# KiCad board hvd-68-hd-panel.kicad_pcb (continued)
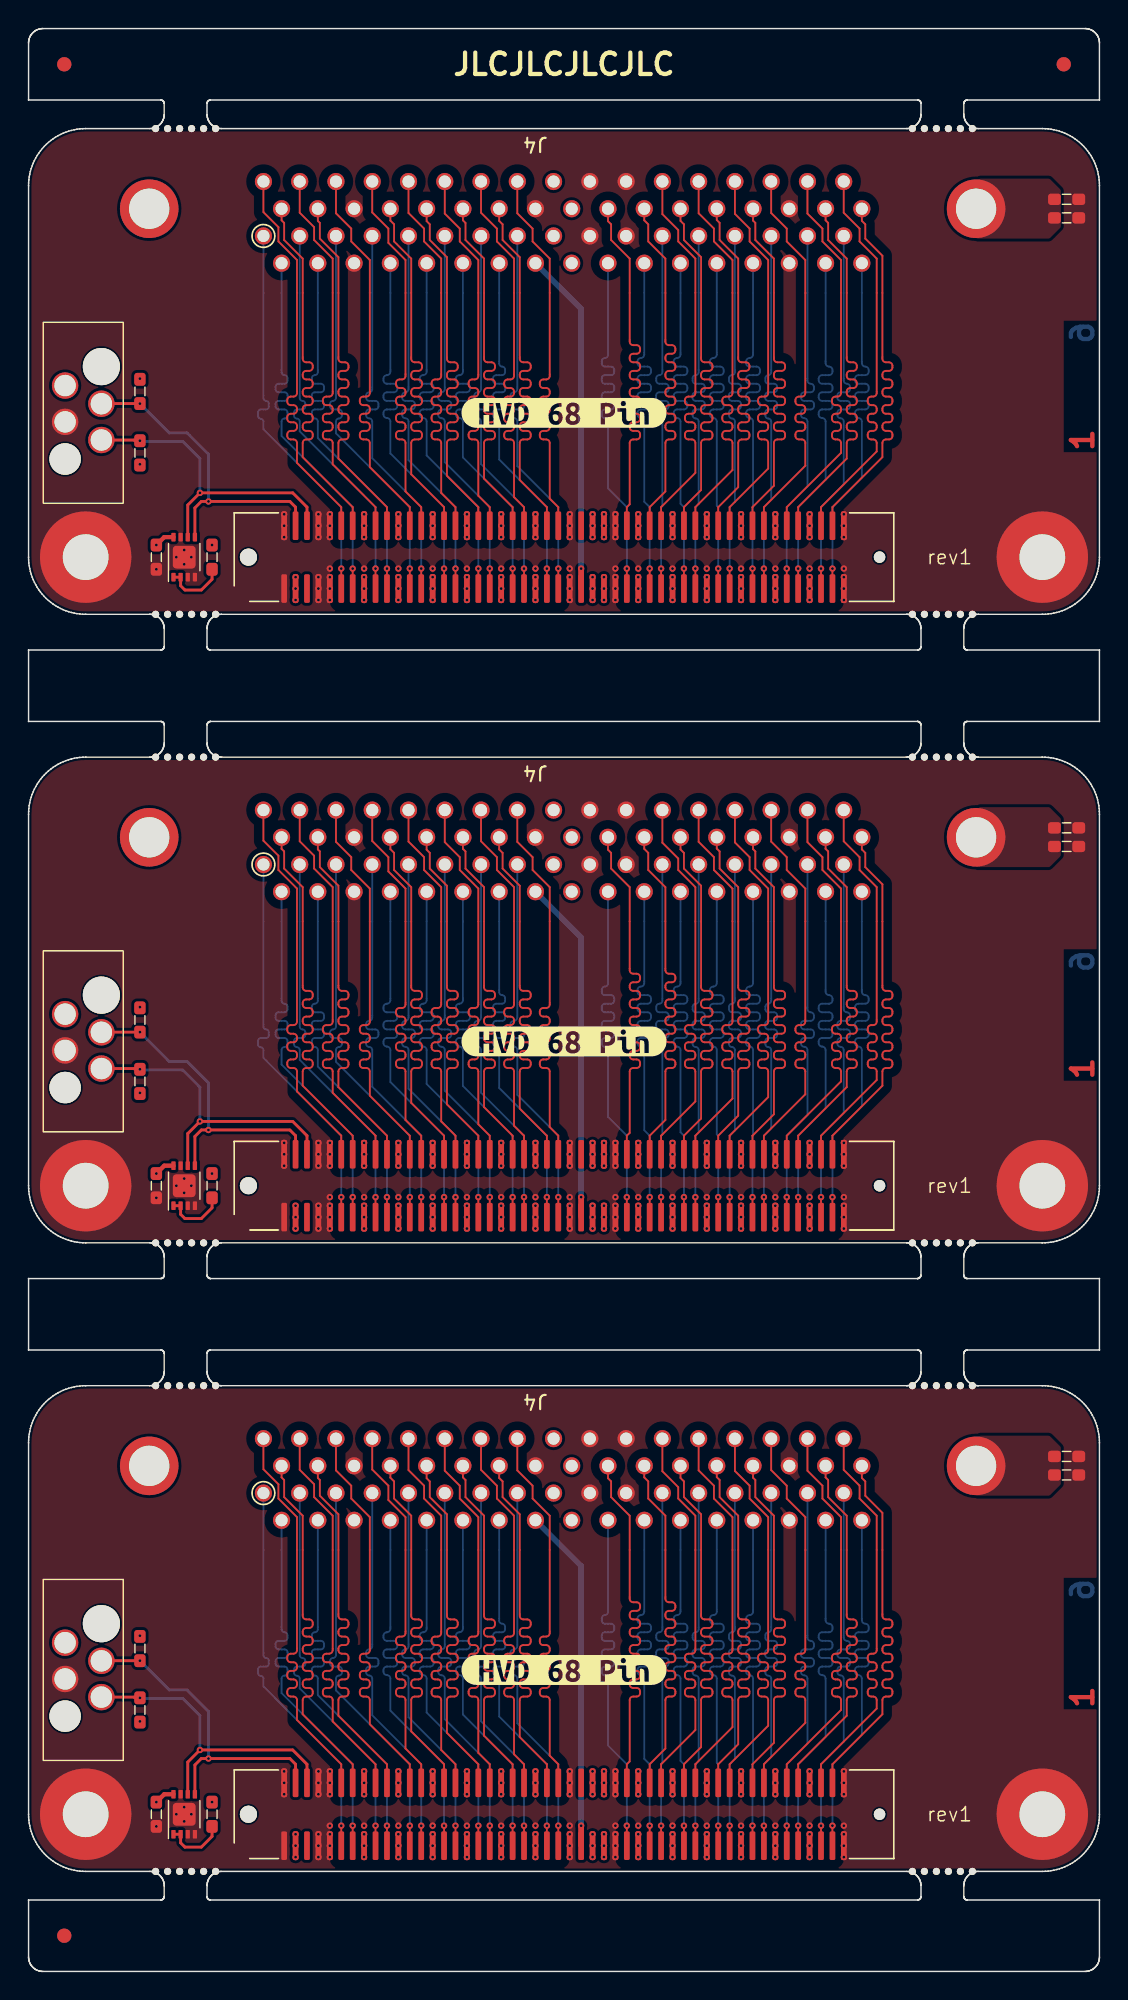
[diagram p0: board, top side]
## Routing (per net, layer and track width the routed paths; a pad name or vN(x,y) marks a point on that pad's centre or on a via; arc(x,y) is an arc through that point) (continued)
Board_1-Net-(U1-E0): length 4.4
  Top w0.2: U1.1 U1.2 10.65,53 10.95,52.7 12.1,52.7 12.85,53.45 R1#3.1
Board_2-+3V3: length 1.4
  Top w0.3: U1#2.8 9.5,12.4 v1(8.95,11.85)
  vias: v1(7.8,23.5) v1(7.8,17.5) v1(12.85,11.85) v1(18.7,9.6) v1(18.7,8.8) v1(18.7,8)
Board_2-/CON.ACK+: length 27.9
  Top w0.128: J1#2.67 v1(44.3,10.2)
  Bottom w0.128: v1(44.3,10.2) 44.3,14.5 44.39,14.59 44.39,20.5 arc(44.33,20.65) 44.17,20.72 arc(44.02,20.78) 43.96,20.93 43.96,21.13 arc(44.02,21.28) 44.17,21.34 44.61,21.34 arc(44.76,21.41) 44.83,21.56 44.83,21.72 arc(44.76,21.88) 44.61,21.94 44.17,21.94 arc(44.02,22.01) 43.95,22.16 43.95,22.32 arc(44.02,22.48) 44.17,22.54 44.61,22.54 arc(44.76,22.61) 44.83,22.76 44.83,22.92 arc(44.76,23.08) 44.61,23.14 44.17,23.14 arc(44.02,23.2) 43.96,23.36 43.96,23.53 arc(44.02,23.68) 44.17,23.74 arc(44.33,23.8) 44.39,23.96 J4#2.23
Board_2-/CON.ACK-: length 29.2
  Top w0.128: J4#2.57 44.39,35.01 45.5,33.9 45.5,33.1 46.7,31.9 46.7,22.48 arc(46.63,22.31) 46.46,22.24 46.21,22.24 arc(46.04,22.17) 45.97,22 45.97,21.88 arc(46.04,21.71) 46.21,21.64 46.46,21.64 arc(46.63,21.57) 46.7,21.4 46.7,21.28 arc(46.63,21.11) 46.46,21.04 46.21,21.04 arc(46.04,20.97) 45.97,20.8 45.97,20.68 arc(46.04,20.51) 46.21,20.44 46.46,20.44 arc(46.63,20.37) 46.7,20.2 46.7,20.08 arc(46.63,19.91) 46.46,19.84 46.21,19.84 arc(46.04,19.77) 45.97,19.6 45.97,19.48 arc(46.04,19.31) 46.21,19.24 46.46,19.24 arc(46.63,19.17) 46.7,19 46.7,16.9 44.3,14.5 J1#2.68
Board_2-/CON.ATN+: length 27.9
  Top w0.128: J1#2.61 v1(41.9,10.2)
  Bottom w0.128: v1(41.9,10.2) 41.9,14.5 40.58,15.82 40.58,20.5 arc(40.52,20.65) 40.36,20.72 arc(40.21,20.78) 40.15,20.93 40.15,21.13 arc(40.21,21.28) 40.36,21.34 40.8,21.34 arc(40.95,21.41) 41.02,21.56 41.02,21.72 arc(40.95,21.88) 40.8,21.94 40.36,21.94 arc(40.21,22.01) 40.14,22.16 40.14,22.32 arc(40.21,22.48) 40.36,22.54 40.8,22.54 arc(40.95,22.61) 41.02,22.76 41.02,22.92 arc(40.95,23.08) 40.8,23.14 40.36,23.14 arc(40.21,23.21) 40.14,23.36 40.14,23.52 arc(40.21,23.68) 40.36,23.74 40.8,23.74 arc(40.95,23.81) 41.02,23.96 41.02,24.12 arc(40.95,24.28) 40.8,24.34 40.36,24.34 arc(40.21,24.41) 40.15,24.56 40.15,24.73 arc(40.21,24.88) 40.36,24.94 arc(40.52,25.01) 40.58,25.16 J4#2.20
Board_2-/CON.ATN-: length 29.2
  Top w0.128: J1#2.62 41.9,14.5 42.1,14.7 42.1,19 arc(42.17,19.17) 42.34,19.24 42.59,19.24 arc(42.76,19.31) 42.83,19.48 42.83,19.6 arc(42.76,19.77) 42.59,19.84 42.34,19.84 arc(42.17,19.91) 42.1,20.08 42.1,20.2 arc(42.17,20.37) 42.34,20.44 42.59,20.44 arc(42.76,20.51) 42.83,20.68 42.83,20.8 arc(42.76,20.97) 42.59,21.04 42.34,21.04 arc(42.17,21.11) 42.1,21.28 42.1,21.4 arc(42.17,21.57) 42.34,21.64 42.59,21.64 arc(42.76,21.71) 42.83,21.88 42.83,22 arc(42.76,22.17) 42.59,22.24 42.34,22.24 arc(42.17,22.31) 42.1,22.48 42.1,22.6 arc(42.17,22.77) 42.34,22.84 42.59,22.84 arc(42.76,22.91) 42.83,23.08 42.83,23.2 arc(42.76,23.37) 42.59,23.44 42.34,23.44 arc(42.17,23.51) 42.1,23.68 42.1,23.8 arc(42.17,23.97) 42.34,24.04 42.59,24.04 arc(42.76,24.11) 42.83,24.28 42.83,24.4 arc(42.76,24.57) 42.59,24.64 42.34,24.64 arc(42.17,24.71) 42.1,24.88 42.1,25 arc(42.17,25.17) 42.34,25.24 42.59,25.24 arc(42.76,25.31) 42.83,25.48 42.83,25.6 arc(42.76,25.77) 42.59,25.84 42.34,25.84 arc(42.17,25.91) 42.1,26.08 42.1,31.9 40.8,33.2 40.8,34.3 40.58,34.52 J4#2.54
Board_2-/CON.BSY+: length 27.9
  Top w0.128: J1#2.65 v1(43.5,10.2)
  Bottom w0.128: v1(43.5,10.2) 43.5,14.5 43.12,14.88 43.12,20.5 arc(43.05,20.67) 42.88,20.74 arc(42.72,20.81) 42.65,20.98 42.65,21.11 arc(42.72,21.27) 42.88,21.34 43.36,21.34 arc(43.52,21.41) 43.59,21.58 43.59,21.7 arc(43.52,21.87) 43.36,21.94 42.88,21.94 arc(42.72,22.01) 42.65,22.18 42.65,22.3 arc(42.72,22.47) 42.88,22.54 43.36,22.54 arc(43.52,22.61) 43.59,22.78 43.59,22.9 arc(43.52,23.07) 43.36,23.14 42.88,23.14 arc(42.72,23.21) 42.65,23.38 42.65,23.5 arc(42.72,23.67) 42.88,23.74 43.36,23.74 arc(43.52,23.81) 43.59,23.98 43.59,24.1 arc(43.52,24.27) 43.36,24.34 42.88,24.34 arc(42.72,24.41) 42.65,24.58 42.65,24.71 arc(42.72,24.87) 42.88,24.94 arc(43.05,25.01) 43.12,25.18 J4#2.22
Board_2-/CON.BSY-: length 29.2
  Top w0.128: J4#2.56 43.12,34.58 43.4,34.3 43.4,33.1 44.6,31.9 44.6,26.08 arc(44.67,25.91) 44.84,25.84 45.06,25.84 arc(45.23,25.77) 45.3,25.6 45.3,25.48 arc(45.23,25.31) 45.06,25.24 44.84,25.24 arc(44.67,25.17) 44.6,25 44.6,24.88 arc(44.67,24.71) 44.84,24.64 45.06,24.64 arc(45.23,24.57) 45.3,24.4 45.3,24.28 arc(45.23,24.11) 45.06,24.04 44.84,24.04 arc(44.67,23.97) 44.6,23.8 44.6,23.68 arc(44.67,23.51) 44.84,23.44 45.06,23.44 arc(45.23,23.37) 45.3,23.2 45.3,23.08 arc(45.23,22.91) 45.06,22.84 44.84,22.84 arc(44.67,22.77) 44.6,22.6 44.6,22.48 arc(44.67,22.31) 44.84,22.24 45.06,22.24 arc(45.23,22.17) 45.3,22 45.3,21.88 arc(45.23,21.71) 45.06,21.64 44.84,21.64 arc(44.67,21.57) 44.6,21.4 44.6,21.28 arc(44.67,21.11) 44.84,21.04 45.06,21.04 arc(45.23,20.97) 45.3,20.8 45.3,20.68 arc(45.23,20.51) 45.06,20.44 44.84,20.44 arc(44.67,20.37) 44.6,20.2 44.6,20.08 arc(44.67,19.91) 44.84,19.84 45.06,19.84 arc(45.23,19.77) 45.3,19.6 45.3,19.48 arc(45.23,19.31) 45.06,19.24 44.84,19.24 arc(44.67,19.17) 44.6,19 44.6,15.6 43.5,14.5 J1#2.66
Board_2-/CON.C/D+: length 27.9
  Top w0.128: J1#2.79 v1(49.1,10.2)
  Bottom w0.128: J4#2.27 49.47,23.95 arc(49.41,23.8) 49.26,23.74 arc(49.12,23.68) 49.06,23.54 49.06,23.35 arc(49.12,23.2) 49.26,23.14 49.68,23.14 arc(49.83,23.08) 49.89,22.93 49.89,22.75 arc(49.83,22.6) 49.68,22.54 49.26,22.54 arc(49.11,22.48) 49.05,22.33 49.05,22.15 arc(49.11,22) 49.26,21.94 49.68,21.94 arc(49.83,21.88) 49.89,21.73 49.89,21.55 arc(49.83,21.4) 49.68,21.34 49.26,21.34 arc(49.12,21.28) 49.06,21.14 49.06,20.92 arc(49.12,20.77) 49.26,20.71 arc(49.41,20.65) 49.47,20.5 49.47,14.87 49.1,14.5 v1(49.1,10.2)
Board_2-/CON.C/D-: length 29.2
  Top w0.128: J1#2.80 49.1,14.5 51.8,17.2 51.8,19 arc(51.73,19.17) 51.56,19.24 51.33,19.24 arc(51.16,19.31) 51.09,19.48 51.09,19.6 arc(51.16,19.77) 51.33,19.84 51.56,19.84 arc(51.73,19.91) 51.8,20.08 51.8,20.2 arc(51.73,20.37) 51.56,20.44 51.33,20.44 arc(51.16,20.51) 51.09,20.68 51.09,20.8 arc(51.16,20.97) 51.33,21.04 51.56,21.04 arc(51.73,21.11) 51.8,21.28 51.8,21.4 arc(51.73,21.57) 51.56,21.64 51.33,21.64 arc(51.16,21.71) 51.09,21.88 51.09,22 arc(51.16,22.17) 51.33,22.24 51.56,22.24 arc(51.73,22.31) 51.8,22.48 51.8,31.8 50.5,33.1 50.5,34 49.47,35.03 J4#2.61
Board_2-/CON.DB0+: length 27.9
  Top w0.128: J1#2.25 v1(27.5,10.2)
  Bottom w0.128: v1(27.5,10.2) 27.5,14.5 24.07,17.93 24.07,20.5 arc(24.01,20.65) 23.86,20.72 arc(23.71,20.78) 23.64,20.93 23.64,21.13 arc(23.71,21.28) 23.86,21.34 24.29,21.34 arc(24.44,21.41) 24.5,21.56 24.5,21.72 arc(24.44,21.88) 24.29,21.94 23.86,21.94 arc(23.71,22) 23.64,22.16 23.64,22.33 arc(23.71,22.48) 23.86,22.54 arc(24.01,22.6) 24.07,22.76 J4#2.7
Board_2-/CON.DB0-: length 29.2
  Top w0.128: J1#2.26 27.5,14.5 26.4,15.6 26.4,19 arc(26.33,19.17) 26.16,19.24 25.97,19.24 arc(25.8,19.31) 25.73,19.48 25.73,19.6 arc(25.8,19.77) 25.97,19.84 26.16,19.84 arc(26.33,19.91) 26.4,20.08 26.4,20.2 arc(26.33,20.37) 26.16,20.44 25.97,20.44 arc(25.8,20.51) 25.73,20.68 25.73,20.8 arc(25.8,20.97) 25.97,21.04 26.16,21.04 arc(26.33,21.11) 26.4,21.28 26.4,21.4 arc(26.33,21.57) 26.16,21.64 25.97,21.64 arc(25.8,21.71) 25.73,21.88 25.73,22 arc(25.8,22.17) 25.97,22.24 26.16,22.24 arc(26.33,22.31) 26.4,22.48 26.4,22.6 arc(26.33,22.77) 26.16,22.84 25.97,22.84 arc(25.8,22.91) 25.73,23.08 25.73,23.2 arc(25.8,23.37) 25.97,23.44 26.16,23.44 arc(26.33,23.51) 26.4,23.68 26.4,31.8 25.2,33 25.2,34 24.07,35.13 J4#2.41
Board_2-/CON.DB1+: length 27.9
  Top w0.128: J1#2.29 v1(29.1,10.2)
  Bottom w0.128: v1(29.1,10.2) 29.1,14.5 25.34,18.26 25.34,20.5 arc(25.27,20.67) 25.1,20.74 25.1,20.74 arc(24.93,20.81) 24.86,20.98 24.86,21.1 arc(24.93,21.27) 25.1,21.34 25.58,21.34 arc(25.75,21.41) 25.82,21.58 25.82,21.7 arc(25.75,21.87) 25.58,21.94 25.1,21.94 arc(24.93,22.01) 24.86,22.18 24.86,22.3 arc(24.93,22.47) 25.1,22.54 25.58,22.54 arc(25.75,22.61) 25.82,22.78 25.82,22.9 arc(25.75,23.07) 25.58,23.14 25.1,23.14 arc(24.93,23.21) 24.86,23.38 24.86,23.5 arc(24.93,23.67) 25.1,23.74 25.1,23.74 arc(25.27,23.81) 25.34,23.98 J4#2.8
Board_2-/CON.DB1-: length 29.2
  Top w0.128: J1#2.30 29.1,14.5 26.8,16.8 26.8,19 arc(26.87,19.17) 27.04,19.24 27.31,19.24 arc(27.48,19.31) 27.55,19.48 27.55,19.6 arc(27.48,19.77) 27.31,19.84 27.04,19.84 arc(26.87,19.91) 26.8,20.08 26.8,20.2 arc(26.87,20.37) 27.04,20.44 27.31,20.44 arc(27.48,20.51) 27.55,20.68 27.55,20.8 arc(27.48,20.97) 27.31,21.04 27.04,21.04 arc(26.87,21.11) 26.8,21.28 26.8,21.4 arc(26.87,21.57) 27.04,21.64 27.31,21.64 arc(27.48,21.71) 27.55,21.88 27.55,22 arc(27.48,22.17) 27.31,22.24 27.04,22.24 arc(26.87,22.31) 26.8,22.48 26.8,22.6 arc(26.87,22.77) 27.04,22.84 27.31,22.84 arc(27.48,22.91) 27.55,23.08 27.55,23.2 arc(27.48,23.37) 27.31,23.44 27.04,23.44 arc(26.87,23.51) 26.8,23.68 26.8,23.8 arc(26.87,23.97) 27.04,24.04 27.31,24.04 arc(27.48,24.11) 27.55,24.28 27.55,24.4 arc(27.48,24.57) 27.31,24.64 27.04,24.64 arc(26.87,24.71) 26.8,24.88 26.8,31.9 25.6,33.1 25.6,34.3 25.34,34.56 J4#2.42
Board_2-/CON.DB2+: length 27.9
  Top w0.128: J1#2.31 v1(29.9,10.2)
  Bottom w0.128: v1(29.9,10.2) 29.9,14.5 26.61,17.79 26.61,20.5 arc(26.55,20.66) 26.39,20.72 arc(26.23,20.79) 26.17,20.94 26.17,21.12 arc(26.23,21.28) 26.39,21.34 26.83,21.34 arc(26.99,21.41) 27.06,21.57 27.06,21.72 arc(26.99,21.88) 26.83,21.94 26.39,21.94 arc(26.23,22.01) 26.17,22.16 26.17,22.32 arc(26.23,22.48) 26.39,22.54 arc(26.55,22.61) 26.61,22.76 J4#2.9
Board_2-/CON.DB2-: length 29.2
  Top w0.128: J4#2.43 26.61,35.09 27.7,34 27.7,33.1 28.9,31.9 28.9,23.68 arc(28.83,23.51) 28.66,23.44 28.47,23.44 arc(28.3,23.37) 28.23,23.2 28.23,23.08 arc(28.3,22.91) 28.47,22.84 28.66,22.84 arc(28.83,22.77) 28.9,22.6 28.9,22.48 arc(28.83,22.31) 28.66,22.24 28.47,22.24 arc(28.3,22.17) 28.23,22 28.23,21.88 arc(28.3,21.71) 28.47,21.64 28.66,21.64 arc(28.83,21.57) 28.9,21.4 28.9,21.28 arc(28.83,21.11) 28.66,21.04 28.47,21.04 arc(28.3,20.97) 28.23,20.8 28.23,20.68 arc(28.3,20.51) 28.47,20.44 28.66,20.44 arc(28.83,20.37) 28.9,20.2 28.9,20.08 arc(28.83,19.91) 28.66,19.84 28.47,19.84 arc(28.3,19.77) 28.23,19.6 28.23,19.48 arc(28.3,19.31) 28.47,19.24 28.66,19.24 arc(28.83,19.17) 28.9,19 28.9,15.5 29.9,14.5 J1#2.32
Board_2-/CON.DB3+: length 27.9
  Top w0.128: J1#2.35 v1(31.5,10.2)
  Bottom w0.128: v1(31.5,10.2) 31.5,14.5 27.88,18.12 27.88,20.5 arc(27.81,20.67) 27.64,20.74 27.63,20.74 arc(27.46,20.81) 27.39,20.98 27.39,21.1 arc(27.46,21.27) 27.63,21.34 28.13,21.34 arc(28.3,21.41) 28.37,21.58 28.37,21.7 arc(28.3,21.87) 28.13,21.94 27.63,21.94 arc(27.46,22.01) 27.39,22.18 27.39,22.3 arc(27.46,22.47) 27.63,22.54 28.13,22.54 arc(28.3,22.61) 28.37,22.78 28.37,22.9 arc(28.3,23.07) 28.13,23.14 27.63,23.14 arc(27.46,23.21) 27.39,23.38 27.39,23.5 arc(27.46,23.67) 27.63,23.74 27.64,23.74 arc(27.81,23.81) 27.88,23.98 J4#2.10
Board_2-/CON.DB3-: length 29.2
  Top w0.128: J1#2.36 31.5,14.5 29.3,16.7 29.3,19 arc(29.37,19.17) 29.54,19.24 29.82,19.24 arc(29.99,19.31) 30.06,19.48 30.06,19.6 arc(29.99,19.77) 29.82,19.84 29.54,19.84 arc(29.37,19.91) 29.3,20.08 29.3,20.2 arc(29.37,20.37) 29.54,20.44 29.82,20.44 arc(29.99,20.51) 30.06,20.68 30.06,20.8 arc(29.99,20.97) 29.82,21.04 29.54,21.04 arc(29.37,21.11) 29.3,21.28 29.3,21.4 arc(29.37,21.57) 29.54,21.64 29.82,21.64 arc(29.99,21.71) 30.06,21.88 30.06,22 arc(29.99,22.17) 29.82,22.24 29.54,22.24 arc(29.37,22.31) 29.3,22.48 29.3,22.6 arc(29.37,22.77) 29.54,22.84 29.82,22.84 arc(29.99,22.91) 30.06,23.08 30.06,23.2 arc(29.99,23.37) 29.82,23.44 29.54,23.44 arc(29.37,23.51) 29.3,23.68 29.3,23.8 arc(29.37,23.97) 29.54,24.04 29.82,24.04 arc(29.99,24.11) 30.06,24.28 30.06,24.4 arc(29.99,24.57) 29.82,24.64 29.54,24.64 arc(29.37,24.71) 29.3,24.88 29.3,32 28.1,33.2 28.1,34.3 27.88,34.52 J4#2.44
Board_2-/CON.DB4+: length 27.9
  Top w0.128: J1#2.37 v1(32.3,10.2)
  Bottom w0.128: v1(32.3,10.2) 32.3,14.5 29.15,17.65 29.15,20.5 arc(29.08,20.66) 28.92,20.73 arc(28.76,20.8) 28.69,20.96 28.69,21.11 arc(28.76,21.28) 28.92,21.34 29.38,21.34 arc(29.54,21.41) 29.61,21.57 29.61,21.71 arc(29.54,21.87) 29.38,21.94 28.92,21.94 arc(28.76,22.01) 28.69,22.17 28.69,22.31 arc(28.76,22.48) 28.92,22.54 arc(29.08,22.61) 29.15,22.77 J4#2.11
Board_2-/CON.DB4-: length 29.2
  Top w0.128: J1#2.38 32.3,14.5 31.5,15.3 31.5,19 arc(31.43,19.17) 31.26,19.24 31.06,19.24 arc(30.89,19.31) 30.82,19.48 30.82,19.6 arc(30.89,19.77) 31.06,19.84 31.26,19.84 arc(31.43,19.91) 31.5,20.08 31.5,20.2 arc(31.43,20.37) 31.26,20.44 31.06,20.44 arc(30.89,20.51) 30.82,20.68 30.82,20.8 arc(30.89,20.97) 31.06,21.04 31.26,21.04 arc(31.43,21.11) 31.5,21.28 31.5,21.4 arc(31.43,21.57) 31.26,21.64 31.06,21.64 arc(30.89,21.71) 30.82,21.88 30.82,22 arc(30.89,22.17) 31.06,22.24 31.26,22.24 arc(31.43,22.31) 31.5,22.48 31.5,22.6 arc(31.43,22.77) 31.26,22.84 31.06,22.84 arc(30.89,22.91) 30.82,23.08 30.82,23.2 arc(30.89,23.37) 31.06,23.44 31.26,23.44 arc(31.43,23.51) 31.5,23.68 31.5,31.8 30.2,33.1 30.2,34 29.15,35.05 J4#2.45
Board_2-/CON.DB5+: length 27.9
  Top w0.128: J1#2.41 v1(33.9,10.2)
  Bottom w0.128: v1(33.9,10.2) 33.9,14.5 30.42,17.98 30.42,20.5 arc(30.35,20.67) 30.18,20.74 30.16,20.74 arc(29.99,20.81) 29.92,20.98 29.92,21.1 arc(29.99,21.27) 30.16,21.34 30.68,21.34 arc(30.85,21.41) 30.92,21.58 30.92,21.7 arc(30.85,21.87) 30.68,21.94 30.16,21.94 arc(29.99,22.01) 29.92,22.18 29.92,22.3 arc(29.99,22.47) 30.16,22.54 30.68,22.54 arc(30.85,22.61) 30.92,22.78 30.92,22.9 arc(30.85,23.07) 30.68,23.14 30.16,23.14 arc(29.99,23.21) 29.92,23.38 29.92,23.5 arc(29.99,23.67) 30.16,23.74 30.18,23.74 arc(30.35,23.81) 30.42,23.98 J4#2.12
Board_2-/CON.DB5-: length 29.2
  Top w0.128: J1#2.42 33.9,14.5 31.9,16.5 31.9,19 arc(31.97,19.17) 32.14,19.24 32.42,19.24 arc(32.59,19.31) 32.66,19.48 32.66,19.6 arc(32.59,19.77) 32.42,19.84 32.14,19.84 arc(31.97,19.91) 31.9,20.08 31.9,20.2 arc(31.97,20.37) 32.14,20.44 32.42,20.44 arc(32.59,20.51) 32.66,20.68 32.66,20.8 arc(32.59,20.97) 32.42,21.04 32.14,21.04 arc(31.97,21.11) 31.9,21.28 31.9,21.4 arc(31.97,21.57) 32.14,21.64 32.42,21.64 arc(32.59,21.71) 32.66,21.88 32.66,22 arc(32.59,22.17) 32.42,22.24 32.14,22.24 arc(31.97,22.31) 31.9,22.48 31.9,22.6 arc(31.97,22.77) 32.14,22.84 32.42,22.84 arc(32.59,22.91) 32.66,23.08 32.66,23.2 arc(32.59,23.37) 32.42,23.44 32.14,23.44 arc(31.97,23.51) 31.9,23.68 31.9,23.8 arc(31.97,23.97) 32.14,24.04 32.42,24.04 arc(32.59,24.11) 32.66,24.28 32.66,24.4 arc(32.59,24.57) 32.42,24.64 32.14,24.64 arc(31.97,24.71) 31.9,24.88 31.9,31.9 30.6,33.2 30.6,34.4 30.42,34.58 J4#2.46
Board_2-/CON.DB6+: length 27.9
  Top w0.128: J1#2.43 v1(34.7,10.2)
  Bottom w0.128: J4#2.13 31.69,22.78 arc(31.62,22.61) 31.45,22.54 arc(31.29,22.47) 31.22,22.31 31.22,22.18 arc(31.29,22.01) 31.45,21.94 31.93,21.94 arc(32.09,21.87) 32.16,21.71 32.16,21.58 arc(32.09,21.41) 31.93,21.34 31.45,21.34 arc(31.29,21.27) 31.22,21.11 31.22,20.97 arc(31.29,20.81) 31.45,20.74 arc(31.62,20.67) 31.69,20.5 31.69,17.51 34.7,14.5 v1(34.7,10.2)
Board_2-/CON.DB6-: length 29.2
  Top w0.128: J4#2.47 31.69,35.11 32.8,34 32.8,33.1 34,31.9 34,23.68 arc(33.93,23.51) 33.76,23.44 33.55,23.44 arc(33.38,23.37) 33.31,23.2 33.31,23.08 arc(33.38,22.91) 33.55,22.84 33.76,22.84 arc(33.93,22.77) 34,22.6 34,22.48 arc(33.93,22.31) 33.76,22.24 33.55,22.24 arc(33.38,22.17) 33.31,22 33.31,21.88 arc(33.38,21.71) 33.55,21.64 33.76,21.64 arc(33.93,21.57) 34,21.4 34,21.28 arc(33.93,21.11) 33.76,21.04 33.55,21.04 arc(33.38,20.97) 33.31,20.8 33.31,20.68 arc(33.38,20.51) 33.55,20.44 33.76,20.44 arc(33.93,20.37) 34,20.2 34,20.08 arc(33.93,19.91) 33.76,19.84 33.55,19.84 arc(33.38,19.77) 33.31,19.6 33.31,19.48 arc(33.38,19.31) 33.55,19.24 33.76,19.24 arc(33.93,19.17) 34,19 34,15.2 34.7,14.5 J1#2.44
Board_2-/CON.DB7+: length 27.9
  Top w0.128: J1#2.47 v1(36.3,10.2)
  Bottom w0.128: J4#2.14 32.96,24.55 arc(33.02,24.4) 33.17,24.34 arc(33.31,24.28) 33.37,24.13 33.37,23.95 arc(33.31,23.8) 33.17,23.74 32.75,23.74 arc(32.6,23.68) 32.54,23.53 32.54,23.35 arc(32.6,23.2) 32.75,23.14 33.17,23.14 arc(33.32,23.08) 33.38,22.93 33.38,22.75 arc(33.32,22.6) 33.17,22.54 32.75,22.54 arc(32.6,22.48) 32.54,22.33 32.54,22.15 arc(32.6,22) 32.75,21.94 33.17,21.94 arc(33.32,21.88) 33.38,21.73 33.38,21.55 arc(33.32,21.4) 33.17,21.34 32.75,21.34 arc(32.61,21.28) 32.55,21.13 32.55,20.92 arc(32.61,20.77) 32.75,20.71 arc(32.9,20.65) 32.96,20.5 32.96,17.84 36.3,14.5 v1(36.3,10.2)
Board_2-/CON.DB7-: length 29.2
  Top w0.128: J4#2.48 32.96,34.54 33.2,34.3 33.2,33.2 34.4,32 34.4,24.88 arc(34.47,24.71) 34.64,24.64 34.93,24.64 arc(35.1,24.57) 35.17,24.4 35.17,24.28 arc(35.1,24.11) 34.93,24.04 34.64,24.04 arc(34.47,23.97) 34.4,23.8 34.4,23.68 arc(34.47,23.51) 34.64,23.44 34.93,23.44 arc(35.1,23.37) 35.17,23.2 35.17,23.08 arc(35.1,22.91) 34.93,22.84 34.64,22.84 arc(34.47,22.77) 34.4,22.6 34.4,22.48 arc(34.47,22.31) 34.64,22.24 34.93,22.24 arc(35.1,22.17) 35.17,22 35.17,21.88 arc(35.1,21.71) 34.93,21.64 34.64,21.64 arc(34.47,21.57) 34.4,21.4 34.4,21.28 arc(34.47,21.11) 34.64,21.04 34.93,21.04 arc(35.1,20.97) 35.17,20.8 35.17,20.68 arc(35.1,20.51) 34.93,20.44 34.64,20.44 arc(34.47,20.37) 34.4,20.2 34.4,20.08 arc(34.47,19.91) 34.64,19.84 34.93,19.84 arc(35.1,19.77) 35.17,19.6 35.17,19.48 arc(35.1,19.31) 34.93,19.24 34.64,19.24 arc(34.47,19.17) 34.4,19 34.4,16.4 36.3,14.5 J1#2.48
Board_2-/CON.DB8+: length 27.9
  Top w0.128: J1#2.89 v1(53.1,10.2)
  Bottom w0.128: v1(53.1,10.2) 53.1,14.5 54.55,15.95 54.55,20.5 arc(54.48,20.66) 54.32,20.73 arc(54.16,20.79) 54.1,20.95 54.1,21.12 arc(54.16,21.28) 54.32,21.34 54.78,21.34 arc(54.94,21.41) 55.01,21.57 55.01,21.71 arc(54.94,21.88) 54.78,21.94 54.32,21.94 arc(54.16,22.01) 54.09,22.17 54.09,22.31 arc(54.16,22.48) 54.32,22.54 54.78,22.54 arc(54.94,22.61) 55,22.77 55,22.92 arc(54.94,23.08) 54.78,23.14 arc(54.62,23.21) 54.55,23.37 J4#2.31
Board_2-/CON.DB8-: length 29.2
  Top w0.128: J4#2.65 54.55,35.05 55.6,34 55.6,33.1 56.9,31.8 56.9,22.48 arc(56.83,22.31) 56.66,22.24 56.51,22.24 arc(56.34,22.17) 56.27,22 56.27,21.88 arc(56.34,21.71) 56.51,21.64 56.66,21.64 arc(56.83,21.57) 56.9,21.4 56.9,21.28 arc(56.83,21.11) 56.66,21.04 56.51,21.04 arc(56.34,20.97) 56.27,20.8 56.27,20.68 arc(56.34,20.51) 56.51,20.44 56.66,20.44 arc(56.83,20.37) 56.9,20.2 56.9,20.08 arc(56.83,19.91) 56.66,19.84 56.51,19.84 arc(56.34,19.77) 56.27,19.6 56.27,19.48 arc(56.34,19.31) 56.51,19.24 56.66,19.24 arc(56.83,19.17) 56.9,19 56.9,18.3 53.1,14.5 J1#2.90
Board_2-/CON.DB9+: length 27.9
  Top w0.128: J1#2.91 v1(53.9,10.2)
  Bottom w0.128: v1(53.9,10.2) 53.9,14.5 55.82,16.42 55.82,20.5 arc(55.75,20.67) 55.58,20.74 55.58,20.74 arc(55.41,20.81) 55.34,20.98 55.34,21.1 arc(55.41,21.27) 55.58,21.34 56.06,21.34 arc(56.23,21.41) 56.3,21.58 56.3,21.7 arc(56.23,21.87) 56.06,21.94 55.58,21.94 arc(55.41,22.01) 55.34,22.18 55.34,22.3 arc(55.41,22.47) 55.58,22.54 56.06,22.54 arc(56.23,22.61) 56.3,22.78 56.3,22.9 arc(56.23,23.07) 56.06,23.14 55.58,23.14 arc(55.41,23.21) 55.34,23.38 55.34,23.5 arc(55.41,23.67) 55.58,23.74 56.06,23.74 arc(56.23,23.81) 56.3,23.98 56.3,24.1 arc(56.23,24.27) 56.06,24.34 56.06,24.34 arc(55.89,24.41) 55.82,24.58 J4#2.32
Board_2-/CON.DB9-: length 29.2
  Top w0.128: J4#2.66 55.82,34.58 56,34.4 56,33.2 57.3,31.9 57.3,24.88 arc(57.37,24.71) 57.54,24.64 57.77,24.64 arc(57.94,24.57) 58.01,24.4 58.01,24.28 arc(57.94,24.11) 57.77,24.04 57.54,24.04 arc(57.37,23.97) 57.3,23.8 57.3,23.68 arc(57.37,23.51) 57.54,23.44 57.77,23.44 arc(57.94,23.37) 58.01,23.2 58.01,23.08 arc(57.94,22.91) 57.77,22.84 57.54,22.84 arc(57.37,22.77) 57.3,22.6 57.3,22.48 arc(57.37,22.31) 57.54,22.24 57.77,22.24 arc(57.94,22.17) 58.01,22 58.01,21.88 arc(57.94,21.71) 57.77,21.64 57.54,21.64 arc(57.37,21.57) 57.3,21.4 57.3,21.28 arc(57.37,21.11) 57.54,21.04 57.77,21.04 arc(57.94,20.97) 58.01,20.8 58.01,20.68 arc(57.94,20.51) 57.77,20.44 57.54,20.44 arc(57.37,20.37) 57.3,20.2 57.3,20.08 arc(57.37,19.91) 57.54,19.84 57.77,19.84 arc(57.94,19.77) 58.01,19.6 58.01,19.48 arc(57.94,19.31) 57.77,19.24 57.54,19.24 arc(57.37,19.17) 57.3,19 57.3,17.9 53.9,14.5 J1#2.92
Board_2-/CON.DB10+: length 27.9
  Top w0.128: J1#2.95 v1(55.5,10.2)
  Bottom w0.128: v1(55.5,10.2) 55.5,14.5 57.09,16.09 57.09,20.5 arc(57.03,20.66) 56.87,20.72 arc(56.71,20.79) 56.65,20.94 56.65,21.12 arc(56.71,21.28) 56.87,21.34 57.31,21.34 arc(57.47,21.41) 57.54,21.57 57.54,21.72 arc(57.47,21.88) 57.31,21.94 56.87,21.94 arc(56.71,22.01) 56.64,22.17 56.64,22.32 arc(56.71,22.48) 56.87,22.54 57.31,22.54 arc(57.47,22.61) 57.53,22.76 57.53,22.92 arc(57.47,23.08) 57.31,23.14 arc(57.15,23.21) 57.09,23.36 J4#2.33